# Altium PCB Cabinet_Device.PcbDoc (part 4 of 6)
Units mil, origin at the board's own origin, x right, y up, seen from the top; angles counter-clockwise.
Board outline 9999.43 x 4132.85 mil, 4 copper layers (Top Layer, Ground, Internal Plane 1, Bottom Layer), stack 30.634 mil thick; 517 components, 341 nets, 1478 pads, 1628 vias.
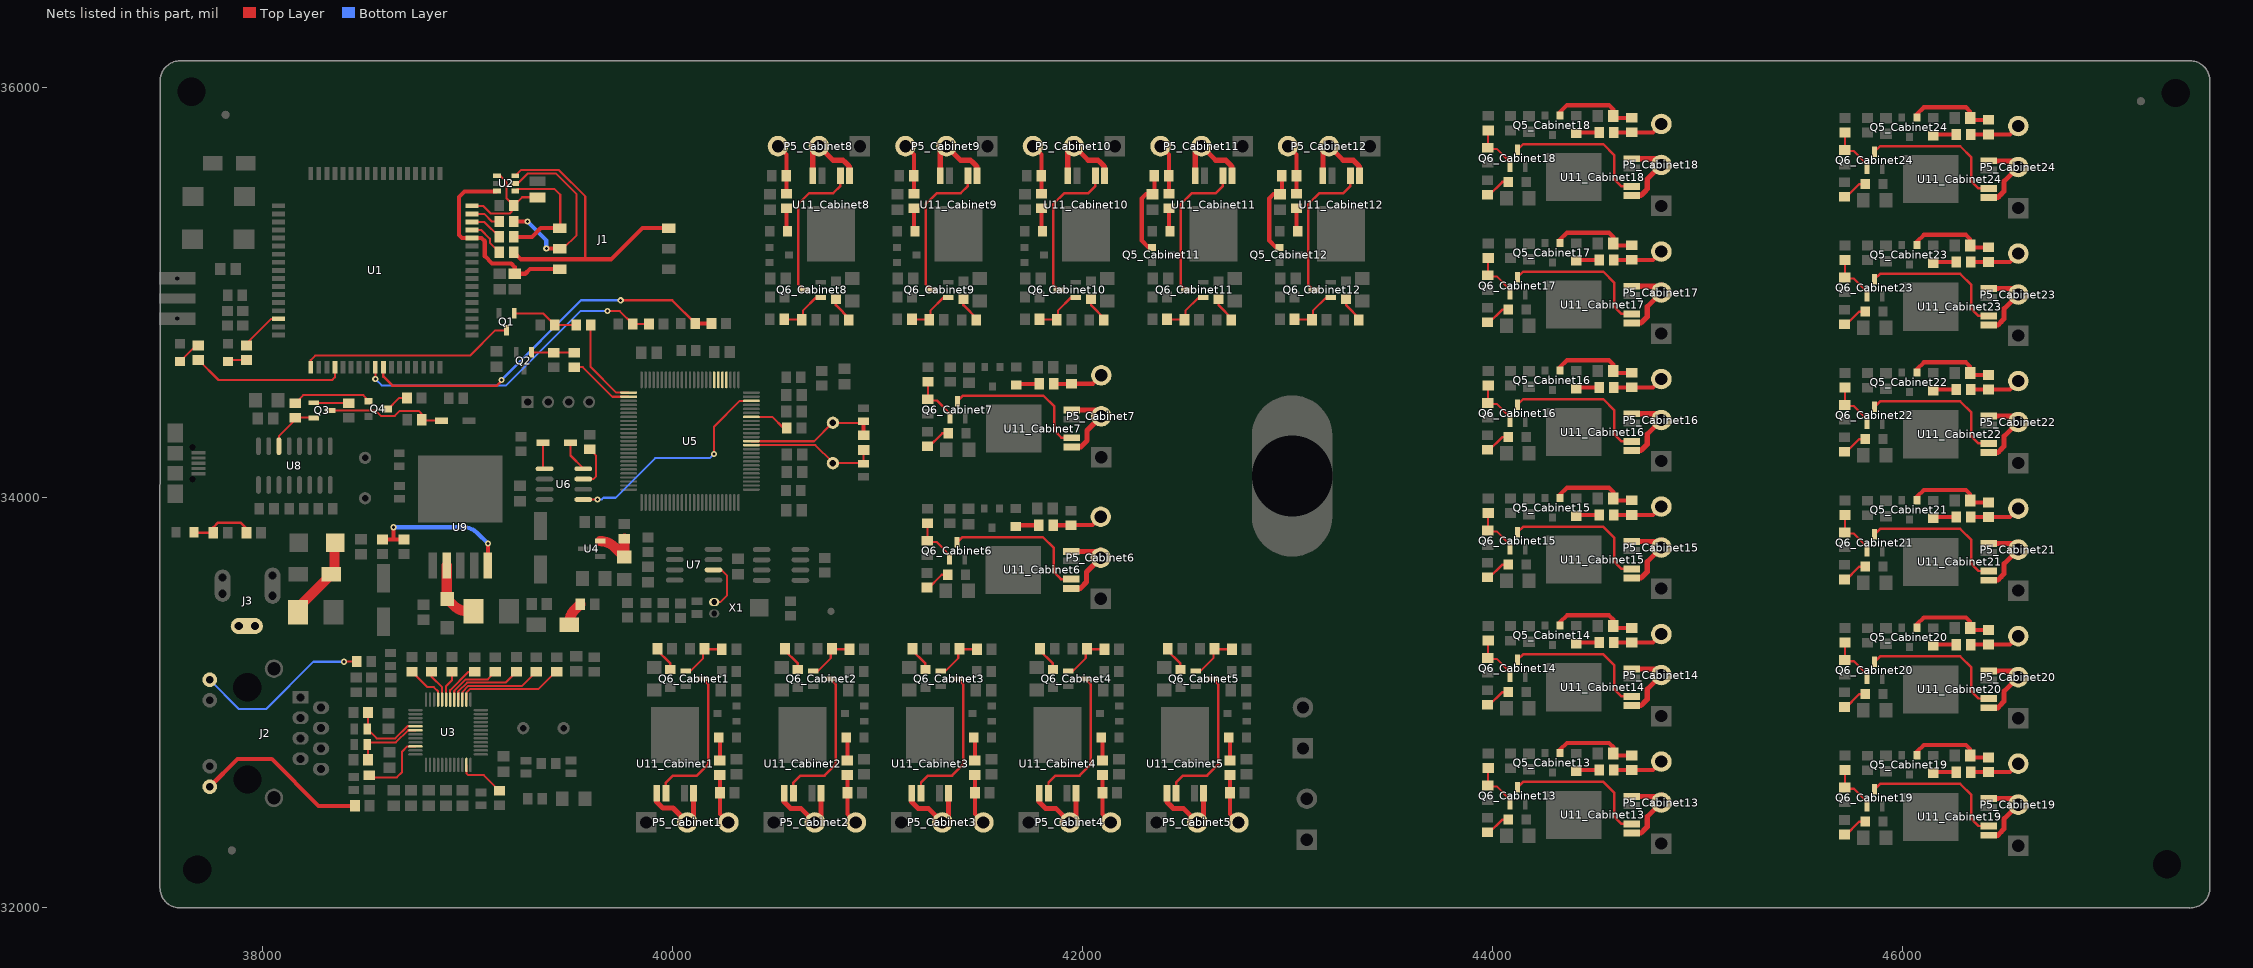
[diagram p6: the nets of this part, all layers, seen from the top]

## Via types
v1: diameter 30, hole 15, Top Layer to Bottom Layer, 1557 vias
v2: diameter 35, hole 15, Top Layer to Bottom Layer, 69 vias
v3: diameter 50, hole 28, Top Layer to Bottom Layer, 1 vias
v4: diameter 30, hole 15, Top Layer to Bottom Layer, tented both sides, 1 vias

## Nets (pads, with @x,y where several pads share a name; then routed paths per layer and width w, separated by ;. In a path a pad name is that pad's centre, name@x,y a point inside that pad or via, vN(x,y) a via of type N, cw(c..) or ccw(c..) an arc to the next point about the centre after c; other vN are vias at no path point) (continued)
NetC49_Cabinet11_1: C49_Cabinet11.1 Q5_Cabinet11.1 R58_Cabinet11.1 | length 424.3
  Top Layer w20: Q5_Cabinet11.1@42339.19,35220.4 42321.03,35220.4 42288.43,35253 42288.43,35459 42308.83,35479.4 C49_Cabinet11.1@42340.43,35479.4 42350,35488.97 R58_Cabinet11.1@42350,35569
NetC49_Cabinet12_1: C49_Cabinet12.1 Q5_Cabinet12.1 R58_Cabinet12.1 | length 424.3
  Top Layer w20: Q5_Cabinet12.1@42961.19,35220.4 42943.03,35220.4 42910.43,35253 42910.43,35459 42930.83,35479.4 C49_Cabinet12.1@42962.43,35479.4 42972,35488.97 R58_Cabinet12.1@42972,35569
NetC49_Cabinet13_1: C49_Cabinet13.1 Q5_Cabinet13.1 R58_Cabinet13.1 | length 424.3
  Top Layer w20: Q5_Cabinet13.1@44329.4,32752.81 44329.4,32770.97 44362,32803.57 44568,32803.57 44588.4,32783.17 C49_Cabinet13.1@44588.4,32751.57 44597.97,32742 R58_Cabinet13.1@44678,32742
NetC49_Cabinet14_1: C49_Cabinet14.1 Q5_Cabinet14.1 R58_Cabinet14.1 | length 424.3
  Top Layer w20: Q5_Cabinet14.1@44329.4,33374.81 44329.4,33392.97 44362,33425.57 44568,33425.57 44588.4,33405.17 C49_Cabinet14.1@44588.4,33373.57 44597.97,33364 R58_Cabinet14.1@44678,33364
NetC49_Cabinet15_1: C49_Cabinet15.1 Q5_Cabinet15.1 R58_Cabinet15.1 | length 424.3
  Top Layer w20: Q5_Cabinet15.1@44329.4,33996.81 44329.4,34014.97 44362,34047.57 44568,34047.57 44588.4,34027.17 C49_Cabinet15.1@44588.4,33995.57 44597.97,33986 R58_Cabinet15.1@44678,33986
NetC49_Cabinet16_1: C49_Cabinet16.1 Q5_Cabinet16.1 R58_Cabinet16.1 | length 424.3
  Top Layer w20: Q5_Cabinet16.1@44329.4,34618.81 44329.4,34636.97 44362,34669.57 44568,34669.57 44588.4,34649.17 C49_Cabinet16.1@44588.4,34617.57 44597.97,34608 R58_Cabinet16.1@44678,34608
NetC49_Cabinet17_1: C49_Cabinet17.1 Q5_Cabinet17.1 R58_Cabinet17.1 | length 424.3
  Top Layer w20: Q5_Cabinet17.1@44329.4,35240.81 44329.4,35258.97 44362,35291.57 44568,35291.57 44588.4,35271.17 C49_Cabinet17.1@44588.4,35239.57 44597.97,35230 R58_Cabinet17.1@44678,35230
NetC49_Cabinet18_1: C49_Cabinet18.1 Q5_Cabinet18.1 R58_Cabinet18.1 | length 424.3
  Top Layer w20: Q5_Cabinet18.1@44329.4,35862.81 44329.4,35880.97 44362,35913.57 44568,35913.57 44588.4,35893.17 C49_Cabinet18.1@44588.4,35861.57 44597.97,35852 R58_Cabinet18.1@44678,35852
NetC49_Cabinet19_1: C49_Cabinet19.1 Q5_Cabinet19.1 R58_Cabinet19.1 | length 424.3
  Top Layer w20: Q5_Cabinet19.1@46070.4,32742.81 46070.4,32760.97 46103,32793.57 46309,32793.57 46329.4,32773.17 C49_Cabinet19.1@46329.4,32741.57 46338.97,32732 R58_Cabinet19.1@46419,32732
NetC49_Cabinet20_1: C49_Cabinet20.1 Q5_Cabinet20.1 R58_Cabinet20.1 | length 424.3
  Top Layer w20: Q5_Cabinet20.1@46070.4,33364.81 46070.4,33382.97 46103,33415.57 46309,33415.57 46329.4,33395.17 C49_Cabinet20.1@46329.4,33363.57 46338.97,33354 R58_Cabinet20.1@46419,33354
NetC49_Cabinet21_1: C49_Cabinet21.1 Q5_Cabinet21.1 R58_Cabinet21.1 | length 424.3
  Top Layer w20: Q5_Cabinet21.1@46070.4,33986.81 46070.4,34004.97 46103,34037.57 46309,34037.57 46329.4,34017.17 C49_Cabinet21.1@46329.4,33985.57 46338.97,33976 R58_Cabinet21.1@46419,33976
NetC49_Cabinet22_1: C49_Cabinet22.1 Q5_Cabinet22.1 R58_Cabinet22.1 | length 424.3
  Top Layer w20: Q5_Cabinet22.1@46070.4,34608.81 46070.4,34626.97 46103,34659.57 46309,34659.57 46329.4,34639.17 C49_Cabinet22.1@46329.4,34607.57 46338.97,34598 R58_Cabinet22.1@46419,34598
NetC49_Cabinet23_1: C49_Cabinet23.1 Q5_Cabinet23.1 R58_Cabinet23.1 | length 424.3
  Top Layer w20: Q5_Cabinet23.1@46070.4,35230.81 46070.4,35248.97 46103,35281.57 46309,35281.57 46329.4,35261.17 C49_Cabinet23.1@46329.4,35229.57 46338.97,35220 R58_Cabinet23.1@46419,35220
NetC49_Cabinet24_1: C49_Cabinet24.1 Q5_Cabinet24.1 R58_Cabinet24.1 | length 424.3
  Top Layer w20: Q5_Cabinet24.1@46070.4,35852.81 46070.4,35870.97 46103,35903.57 46309,35903.57 46329.4,35883.17 C49_Cabinet24.1@46329.4,35851.57 46338.97,35842 R58_Cabinet24.1@46419,35842
NetCP3_1: CP3.1 LR3.2 U4.2 | length 235.8
  Top Layer w50: U4.2@39646.34,33787.4 cw(c39646.34,33687.51) 39716.97,33758.14 CP3.1@39765,33710.12 LR3.2@39765,33799.57
NetD2_1: D2.1 U6.1 | length 131.1
  Top Layer w10: D2.1@39368.07,34268 39368.07,34147.44 U6.1@39375.51,34140
NetD2_2: D2.2 U6.8 | length 153.9
  Top Layer w10: D2.2@39501.93,34268 39501.93,34205.07 39564.49,34142.51 U6.8@39564.49,34140
NetD3_2: D3.2 Q3.3 R44.1 | length 600.4
  Top Layer w10: Q3.3@38331.34,34425 38331.34,34425.33 38549.67,34425.33 38577,34398 38645,34398 38670,34423 38761,34423 38775.43,34408.57 38775.43,34380 38780.43,34375 D3.2@38873.07,34375
NetD4_2: D4.2 D6.2 L1.1 | length 362
  Top Layer w50: L1.1@38173.39,33440 cw(c38229.84,33440) 38189.92,33479.92 38334.5,33624.5 cw(c38335.71,33623.29) D4.2@38335.71,33625 ; D4.2@38350.71,33630 D6.2@38350.71,33741.85
NetD5_2: D5.2 LR8.1 | length 118
  Top Layer w50: D5.2@39495.71,33380 39495.71,33384.72 cw(c39595.71,33384.72) 39525,33455.43 LR8.1@39549.57,33480
NetD7_2: D7.2 L2.1 U9.2 | length 313
  Top Layer w50: U9.2@38898.07,33668.78 38898.07,33510.13 ccw(c38904.66,33510.13) D7.2@38900,33505.47 ; D7.2@38900,33505.47 38931.18,33474.29 ccw(c39001.89,33545) 39001.89,33445 L2.1@39028.39,33445
NetJ1_2: J1.2 R11.2 U2.5 | length 993.6
  Top Layer w10: U2.5@39232.29,35532 39246,35532 39295,35581 39431,35581 39532,35480 39532,35280 J1.2@39467,35215
  Top Layer w20: R11.2@39225.43,35346.34 v1(39291.66,35346.34) ; v1(39384,35214) J1.2@39450,35214 ; J1.2@39430,35215 J1.2@39467,35215
  Bottom Layer w20: v1(39291.66,35346.34) 39384,35254 v1(39384,35214)
NetJ1_3: J1.3@39450,35314 R10.2 U2.4 | length 621.3
  Top Layer w10: U2.4@39232.29,35494.6 39241.69,35504 39425,35504 39452,35477 39452,35316 J1.3@39450,35314
  Top Layer w20: R10.2@39225.43,35271.34 39313.34,35271.34 39357,35315 J1.3@39430,35315
NetJ1_7: J1.7 R7.2 U2.6 | length 1526.8
  Top Layer w10: U2.6@39232.29,35569.4 39259.89,35597 39446,35597 39574,35469 39574,35162
  Top Layer w20: R7.2@39225.43,35196.34 39259.77,35162 39574,35162 39700,35162 39853,35315 J1.7@39961.5,35315
NetJ2_9: J2.9 R33.2 | length 872.8
  Top Layer w10: v1(38398,33199) 38399,33200 R33.2@38460,33200
  Bottom Layer w10: J2.9@37742.44,33110.87 37885.31,32968 38017,32968 38248,33199 v1(38398,33199)
NetJ2_12: J2.12 R34.2 | length 859.5
  Top Layer w20: J2.12@37742.44,32589.24 37878.21,32725 38045,32725 38273.76,32496.24 R34.2@38450.92,32496.24
NetJ3_3: J3.3 J3.3A J3.3B
NetLED1_1: R2.2 状态.1 | length 93.3
  Top Layer w10: 状态.1@37832,34663 37840.07,34671.07 R2.2@37922,34671.07
NetLED2_1: R5.2 来电.1 | length 122.7
  Top Layer w10: 来电.1@37597,34663 37675.94,34741.94 R5.2@37687,34741.94
NetLED3_1: LED3.1 R52.2 R53.2 | length 324.6
  Top Layer w12: LED3.1@37666.5,33828 R53.2@37759.57,33828 37759.57,33854.57 37783,33878 37893,33878 37921.57,33849.43 R52.2@37921.57,33828
NetLED4_Cabinet1_2: LED4_Cabinet1.2 R57_Cabinet1.2 | length 114.8
  Top Layer w20: LED4_Cabinet1.2@40225.06,32830 40230.57,32824.5 R57_Cabinet1.2@40230.57,32717.43
NetLED4_Cabinet2_2: LED4_Cabinet2.2 R57_Cabinet2.2 | length 114.8
  Top Layer w20: LED4_Cabinet2.2@40847.06,32830 40852.57,32824.5 R57_Cabinet2.2@40852.57,32717.43
NetLED4_Cabinet3_2: LED4_Cabinet3.2 R57_Cabinet3.2 | length 114.8
  Top Layer w20: LED4_Cabinet3.2@41469.06,32830 41474.57,32824.5 R57_Cabinet3.2@41474.57,32717.43
NetLED4_Cabinet4_2: LED4_Cabinet4.2 R57_Cabinet4.2 | length 114.8
  Top Layer w20: LED4_Cabinet4.2@42091.06,32830 42096.57,32824.5 R57_Cabinet4.2@42096.57,32717.43
NetLED4_Cabinet5_2: LED4_Cabinet5.2 R57_Cabinet5.2 | length 114.8
  Top Layer w20: LED4_Cabinet5.2@42713.06,32830 42718.57,32824.5 R57_Cabinet5.2@42718.57,32717.43
NetLED4_Cabinet6_2: LED4_Cabinet6.2 R57_Cabinet6.2 | length 114.8
  Top Layer w20: LED4_Cabinet6.2@41673.54,33859.26 41679.04,33864.76 R57_Cabinet6.2@41786.1,33864.76
NetLED4_Cabinet7_2: LED4_Cabinet7.2 R57_Cabinet7.2 | length 114.8
  Top Layer w20: LED4_Cabinet7.2@41676,34549.06 41681.5,34554.57 R57_Cabinet7.2@41788.57,34554.57
NetLED4_Cabinet8_2: LED4_Cabinet8.2 R57_Cabinet8.2 | length 114.8
  Top Layer w20: R57_Cabinet8.2@40555.43,35411.57 40555.43,35304.5 LED4_Cabinet8.2@40560.94,35299
NetLED4_Cabinet9_2: LED4_Cabinet9.2 R57_Cabinet9.2 | length 114.8
  Top Layer w20: R57_Cabinet9.2@41177.43,35411.57 41177.43,35304.5 LED4_Cabinet9.2@41182.94,35299
NetLED4_Cabinet10_2: LED4_Cabinet10.2 R57_Cabinet10.2 | length 114.8
  Top Layer w20: R57_Cabinet10.2@41799.43,35411.57 41799.43,35304.5 LED4_Cabinet10.2@41804.94,35299
NetLED4_Cabinet11_2: LED4_Cabinet11.2 R57_Cabinet11.2 | length 114.8
  Top Layer w20: R57_Cabinet11.2@42421.43,35411.57 42421.43,35304.5 LED4_Cabinet11.2@42426.94,35299
NetLED4_Cabinet12_2: LED4_Cabinet12.2 R57_Cabinet12.2 | length 114.8
  Top Layer w20: R57_Cabinet12.2@43043.43,35411.57 43043.43,35304.5 LED4_Cabinet12.2@43048.94,35299
NetLED4_Cabinet13_2: LED4_Cabinet13.2 R57_Cabinet13.2 | length 114.8
  Top Layer w20: LED4_Cabinet13.2@44408,32665.06 44413.5,32670.57 R57_Cabinet13.2@44520.57,32670.57
NetLED4_Cabinet14_2: LED4_Cabinet14.2 R57_Cabinet14.2 | length 114.8
  Top Layer w20: LED4_Cabinet14.2@44408,33287.06 44413.5,33292.57 R57_Cabinet14.2@44520.57,33292.57
NetLED4_Cabinet15_2: LED4_Cabinet15.2 R57_Cabinet15.2 | length 114.8
  Top Layer w20: LED4_Cabinet15.2@44408,33909.06 44413.5,33914.57 R57_Cabinet15.2@44520.57,33914.57
NetLED4_Cabinet16_2: LED4_Cabinet16.2 R57_Cabinet16.2 | length 114.8
  Top Layer w20: LED4_Cabinet16.2@44408,34531.06 44413.5,34536.57 R57_Cabinet16.2@44520.57,34536.57
NetLED4_Cabinet17_2: LED4_Cabinet17.2 R57_Cabinet17.2 | length 114.8
  Top Layer w20: LED4_Cabinet17.2@44408,35153.06 44413.5,35158.57 R57_Cabinet17.2@44520.57,35158.57
NetLED4_Cabinet18_2: LED4_Cabinet18.2 R57_Cabinet18.2 | length 114.8
  Top Layer w20: LED4_Cabinet18.2@44408,35775.06 44413.5,35780.57 R57_Cabinet18.2@44520.57,35780.57
NetLED4_Cabinet19_2: LED4_Cabinet19.2 R57_Cabinet19.2 | length 114.8
  Top Layer w20: LED4_Cabinet19.2@46149,32655.06 46154.5,32660.57 R57_Cabinet19.2@46261.57,32660.57
NetLED4_Cabinet20_2: LED4_Cabinet20.2 R57_Cabinet20.2 | length 114.8
  Top Layer w20: LED4_Cabinet20.2@46149,33277.06 46154.5,33282.57 R57_Cabinet20.2@46261.57,33282.57
NetLED4_Cabinet21_2: LED4_Cabinet21.2 R57_Cabinet21.2 | length 114.8
  Top Layer w20: LED4_Cabinet21.2@46149,33899.06 46154.5,33904.57 R57_Cabinet21.2@46261.57,33904.57
NetLED4_Cabinet22_2: LED4_Cabinet22.2 R57_Cabinet22.2 | length 114.8
  Top Layer w20: LED4_Cabinet22.2@46149,34521.06 46154.5,34526.57 R57_Cabinet22.2@46261.57,34526.57
NetLED4_Cabinet23_2: LED4_Cabinet23.2 R57_Cabinet23.2 | length 114.8
  Top Layer w20: LED4_Cabinet23.2@46149,35143.06 46154.5,35148.57 R57_Cabinet23.2@46261.57,35148.57
NetLED4_Cabinet24_2: LED4_Cabinet24.2 R57_Cabinet24.2 | length 114.8
  Top Layer w20: LED4_Cabinet24.2@46149,35765.06 46154.5,35770.57 R57_Cabinet24.2@46261.57,35770.57
NetLED5_Cabinet1_1: LED5_Cabinet1.1 R61_Cabinet1.2 | length 127.3
  Top Layer w12: R61_Cabinet1.2@39919.7,33260 39989.13,33190.57 LED5_Cabinet1.1@39989.13,33161.5
NetLED5_Cabinet2_1: LED5_Cabinet2.1 R61_Cabinet2.2 | length 127.3
  Top Layer w12: R61_Cabinet2.2@40541.7,33260 40611.13,33190.57 LED5_Cabinet2.1@40611.13,33161.5
NetLED5_Cabinet3_1: LED5_Cabinet3.1 R61_Cabinet3.2 | length 127.3
  Top Layer w12: R61_Cabinet3.2@41163.7,33260 41233.13,33190.57 LED5_Cabinet3.1@41233.13,33161.5
NetLED5_Cabinet4_1: LED5_Cabinet4.1 R61_Cabinet4.2 | length 127.3
  Top Layer w12: R61_Cabinet4.2@41785.7,33260 41855.13,33190.57 LED5_Cabinet4.1@41855.13,33161.5
NetLED5_Cabinet5_1: LED5_Cabinet5.1 R61_Cabinet5.2 | length 127.3
  Top Layer w12: R61_Cabinet5.2@42407.7,33260 42477.13,33190.57 LED5_Cabinet5.1@42477.13,33161.5
NetLED5_Cabinet6_1: LED5_Cabinet6.1 R61_Cabinet6.2 | length 127.3
  Top Layer w12: R61_Cabinet6.2@41243.54,33553.9 41312.97,33623.33 LED5_Cabinet6.1@41342.03,33623.33
NetLED5_Cabinet7_1: LED5_Cabinet7.1 R61_Cabinet7.2 | length 127.3
  Top Layer w12: R61_Cabinet7.2@41246,34243.7 41315.43,34313.13 LED5_Cabinet7.1@41344.5,34313.13
NetLED5_Cabinet8_1: LED5_Cabinet8.1 R61_Cabinet8.2 | length 127.3
  Top Layer w12: LED5_Cabinet8.1@40796.87,34967.5 40796.87,34938.43 R61_Cabinet8.2@40866.3,34869
NetLED5_Cabinet9_1: LED5_Cabinet9.1 R61_Cabinet9.2 | length 127.3
  Top Layer w12: LED5_Cabinet9.1@41418.87,34967.5 41418.87,34938.43 R61_Cabinet9.2@41488.3,34869
NetLED5_Cabinet10_1: LED5_Cabinet10.1 R61_Cabinet10.2 | length 127.3
  Top Layer w12: LED5_Cabinet10.1@42040.87,34967.5 42040.87,34938.43 R61_Cabinet10.2@42110.3,34869
NetLED5_Cabinet11_1: LED5_Cabinet11.1 R61_Cabinet11.2 | length 127.3
  Top Layer w12: LED5_Cabinet11.1@42662.87,34967.5 42662.87,34938.43 R61_Cabinet11.2@42732.3,34869
NetLED5_Cabinet12_1: LED5_Cabinet12.1 R61_Cabinet12.2 | length 127.3
  Top Layer w12: LED5_Cabinet12.1@43284.87,34967.5 43284.87,34938.43 R61_Cabinet12.2@43354.3,34869
NetLED5_Cabinet13_1: LED5_Cabinet13.1 R61_Cabinet13.2 | length 127.3
  Top Layer w12: R61_Cabinet13.2@43978,32359.7 44047.43,32429.13 LED5_Cabinet13.1@44076.5,32429.13
NetLED5_Cabinet14_1: LED5_Cabinet14.1 R61_Cabinet14.2 | length 127.3
  Top Layer w12: R61_Cabinet14.2@43978,32981.7 44047.43,33051.13 LED5_Cabinet14.1@44076.5,33051.13
NetLED5_Cabinet15_1: LED5_Cabinet15.1 R61_Cabinet15.2 | length 127.3
  Top Layer w12: R61_Cabinet15.2@43978,33603.7 44047.43,33673.13 LED5_Cabinet15.1@44076.5,33673.13
NetLED5_Cabinet16_1: LED5_Cabinet16.1 R61_Cabinet16.2 | length 127.3
  Top Layer w12: R61_Cabinet16.2@43978,34225.7 44047.43,34295.13 LED5_Cabinet16.1@44076.5,34295.13
NetLED5_Cabinet17_1: LED5_Cabinet17.1 R61_Cabinet17.2 | length 127.3
  Top Layer w12: R61_Cabinet17.2@43978,34847.7 44047.43,34917.13 LED5_Cabinet17.1@44076.5,34917.13
NetLED5_Cabinet18_1: LED5_Cabinet18.1 R61_Cabinet18.2 | length 127.3
  Top Layer w12: R61_Cabinet18.2@43978,35469.7 44047.43,35539.13 LED5_Cabinet18.1@44076.5,35539.13
NetLED5_Cabinet19_1: LED5_Cabinet19.1 R61_Cabinet19.2 | length 127.3
  Top Layer w12: R61_Cabinet19.2@45719,32349.7 45788.43,32419.13 LED5_Cabinet19.1@45817.5,32419.13
NetLED5_Cabinet20_1: LED5_Cabinet20.1 R61_Cabinet20.2 | length 127.3
  Top Layer w12: R61_Cabinet20.2@45719,32971.7 45788.43,33041.13 LED5_Cabinet20.1@45817.5,33041.13
NetLED5_Cabinet21_1: LED5_Cabinet21.1 R61_Cabinet21.2 | length 127.3
  Top Layer w12: R61_Cabinet21.2@45719,33593.7 45788.43,33663.13 LED5_Cabinet21.1@45817.5,33663.13
NetLED5_Cabinet22_1: LED5_Cabinet22.1 R61_Cabinet22.2 | length 127.3
  Top Layer w12: R61_Cabinet22.2@45719,34215.7 45788.43,34285.13 LED5_Cabinet22.1@45817.5,34285.13
NetLED5_Cabinet23_1: LED5_Cabinet23.1 R61_Cabinet23.2 | length 127.3
  Top Layer w12: R61_Cabinet23.2@45719,34837.7 45788.43,34907.13 LED5_Cabinet23.1@45817.5,34907.13
NetLED5_Cabinet24_1: LED5_Cabinet24.1 R61_Cabinet24.2 | length 127.3
  Top Layer w12: R61_Cabinet24.2@45719,35459.7 45788.43,35529.13 LED5_Cabinet24.1@45817.5,35529.13
NetLR6_1: LR6.1 U5.19 | length 195.8
  Top Layer w10: U5.19@40384.21,34393.11 40486.89,34393.11 40541,34339 LR6.1@40557.57,34339
NetP5_Cabinet1_2: P5_Cabinet1.2 U11_Cabinet1.1 U11_Cabinet1.5 | length 417.7
  Top Layer w12: 39922.8,32515.2 39922.8,32505.33 39935.13,32493 39945,32493 ; P5_Cabinet1.2@40102.33,32426.67 P5_Cabinet1.2@40115,32414
  Top Layer w25: U11_Cabinet1.1@39922.8,32531 39922.8,32515.2 39945,32493 39953,32485 40002,32485 P5_Cabinet1.2@40072,32415 40102.33,32445.33 U11_Cabinet1.5@40102.33,32558.54
NetP5_Cabinet1_3: P5_Cabinet1.3 R57_Cabinet1.1 R58_Cabinet1.2 | length 248.7
  Top Layer w20: R57_Cabinet1.1@40230.57,32646.57 40230.57,32560.57 R58_Cabinet1.2@40231.13,32560 40231.13,32455.87 P5_Cabinet1.3@40272,32415
NetP5_Cabinet2_2: P5_Cabinet2.2 U11_Cabinet2.1 U11_Cabinet2.5 | length 417.7
  Top Layer w12: 40544.8,32515.2 40544.8,32505.33 40557.13,32493 40567,32493 ; P5_Cabinet2.2@40724.33,32426.67 P5_Cabinet2.2@40737,32414
  Top Layer w25: U11_Cabinet2.1@40544.8,32531 40544.8,32515.2 40567,32493 40576,32484 40625,32484 P5_Cabinet2.2@40694,32415 40724.33,32445.33 U11_Cabinet2.5@40724.33,32558.54
NetP5_Cabinet2_3: P5_Cabinet2.3 R57_Cabinet2.1 R58_Cabinet2.2 | length 248.7
  Top Layer w20: R57_Cabinet2.1@40852.57,32646.57 40852.57,32560.57 R58_Cabinet2.2@40853.13,32560 40853.13,32455.87 P5_Cabinet2.3@40894,32415
NetP5_Cabinet3_2: P5_Cabinet3.2 U11_Cabinet3.1 U11_Cabinet3.5 | length 417.7
  Top Layer w12: 41166.8,32515.2 41166.8,32505.33 41179.13,32493 41189,32493 ; P5_Cabinet3.2@41346.33,32426.67 P5_Cabinet3.2@41359,32414
  Top Layer w25: U11_Cabinet3.1@41166.8,32531 41166.8,32515.2 41189,32493 41198,32484 41247,32484 P5_Cabinet3.2@41316,32415 41346.33,32445.33 U11_Cabinet3.5@41346.33,32558.54
NetP5_Cabinet3_3: P5_Cabinet3.3 R57_Cabinet3.1 R58_Cabinet3.2 | length 248.7
  Top Layer w20: R57_Cabinet3.1@41474.57,32646.57 41474.57,32560.57 R58_Cabinet3.2@41475.13,32560 41475.13,32455.87 P5_Cabinet3.3@41516,32415
NetP5_Cabinet4_2: P5_Cabinet4.2 U11_Cabinet4.1 U11_Cabinet4.5 | length 417.7
  Top Layer w12: 41788.8,32515.2 41788.8,32505.33 41801.13,32493 41811,32493 ; P5_Cabinet4.2@41968.33,32426.67 P5_Cabinet4.2@41981,32414
  Top Layer w25: U11_Cabinet4.1@41788.8,32531 41788.8,32515.2 41811,32493 41820,32484 41869,32484 P5_Cabinet4.2@41938,32415 41968.33,32445.33 U11_Cabinet4.5@41968.33,32558.54
NetP5_Cabinet4_3: P5_Cabinet4.3 R57_Cabinet4.1 R58_Cabinet4.2 | length 248.7
  Top Layer w20: R57_Cabinet4.1@42096.57,32646.57 42096.57,32560.57 R58_Cabinet4.2@42097.13,32560 42097.13,32455.87 P5_Cabinet4.3@42138,32415
NetP5_Cabinet5_2: P5_Cabinet5.2 U11_Cabinet5.1 U11_Cabinet5.5 | length 417.7
  Top Layer w12: 42410.8,32515.2 42410.8,32505.33 42423.13,32493 42433,32493 ; P5_Cabinet5.2@42590.33,32426.67 P5_Cabinet5.2@42603,32414
  Top Layer w25: U11_Cabinet5.1@42410.8,32531 42410.8,32515.2 42433,32493 42442,32484 42491,32484 P5_Cabinet5.2@42560,32415 42590.33,32445.33 U11_Cabinet5.5@42590.33,32558.54
NetP5_Cabinet5_3: P5_Cabinet5.3 R57_Cabinet5.1 R58_Cabinet5.2 | length 248.7
  Top Layer w20: R57_Cabinet5.1@42718.57,32646.57 42718.57,32560.57 R58_Cabinet5.2@42719.13,32560 42719.13,32455.87 P5_Cabinet5.3@42760,32415
NetP5_Cabinet6_2: P5_Cabinet6.2 U11_Cabinet6.1 U11_Cabinet6.5 | length 417.7
  Top Layer w12: 41988.34,33557 41998.2,33557 42010.54,33569.33 42010.54,33579.2 ; P5_Cabinet6.2@42076.87,33736.53 P5_Cabinet6.2@42089.54,33749.2
  Top Layer w25: U11_Cabinet6.5@41945,33736.53 42058.2,33736.53 P5_Cabinet6.2@42088.54,33706.2 42019.54,33637.2 42019.54,33588.2 42010.54,33579.2 41988.34,33557 U11_Cabinet6.1@41972.54,33557
NetP5_Cabinet6_3: P5_Cabinet6.3 R57_Cabinet6.1 R58_Cabinet6.2 | length 248.7
  Top Layer w20: R57_Cabinet6.1@41856.97,33864.76 41942.97,33864.76 R58_Cabinet6.2@41943.54,33865.33 42047.67,33865.33 P5_Cabinet6.3@42088.54,33906.2
NetP5_Cabinet7_2: P5_Cabinet7.2 U11_Cabinet7.1 U11_Cabinet7.5 | length 417.7
  Top Layer w12: 41990.8,34246.8 42000.67,34246.8 42013,34259.13 42013,34269 ; P5_Cabinet7.2@42079.33,34426.33 P5_Cabinet7.2@42092,34439
  Top Layer w25: U11_Cabinet7.5@41947.46,34426.33 42060.67,34426.33 P5_Cabinet7.2@42091,34396 42022,34327 42022,34278 42013,34269 41990.8,34246.8 U11_Cabinet7.1@41975,34246.8
NetP5_Cabinet7_3: P5_Cabinet7.3 R57_Cabinet7.1 R58_Cabinet7.2 | length 248.7
  Top Layer w20: R57_Cabinet7.1@41859.43,34554.57 41945.43,34554.57 R58_Cabinet7.2@41946,34555.13 42050.13,34555.13 P5_Cabinet7.3@42091,34596
NetP5_Cabinet8_2: P5_Cabinet8.2 U11_Cabinet8.1 U11_Cabinet8.5 | length 417.7
  Top Layer w12: P5_Cabinet8.2@40671,35715 P5_Cabinet8.2@40683.67,35702.33 ; 40841,35636 40850.87,35636 40863.2,35623.67 40863.2,35613.8
  Top Layer w25: U11_Cabinet8.5@40683.67,35570.46 40683.67,35683.67 P5_Cabinet8.2@40714,35714 40783,35645 40832,35645 40841,35636 40863.2,35613.8 U11_Cabinet8.1@40863.2,35598
NetP5_Cabinet8_3: P5_Cabinet8.3 R57_Cabinet8.1 R58_Cabinet8.2 | length 248.7
  Top Layer w20: P5_Cabinet8.3@40514,35714 40554.87,35673.13 R58_Cabinet8.2@40554.87,35569 40555.43,35568.43 R57_Cabinet8.1@40555.43,35482.43
NetP5_Cabinet9_2: P5_Cabinet9.2 U11_Cabinet9.1 U11_Cabinet9.5 | length 417.7
  Top Layer w12: P5_Cabinet9.2@41293,35715 P5_Cabinet9.2@41305.67,35702.33 ; 41463,35636 41472.87,35636 41485.2,35623.67 41485.2,35613.8
  Top Layer w25: U11_Cabinet9.5@41305.67,35570.46 41305.67,35683.67 P5_Cabinet9.2@41336,35714 41405,35645 41454,35645 41463,35636 41485.2,35613.8 U11_Cabinet9.1@41485.2,35598
NetP5_Cabinet9_3: P5_Cabinet9.3 R57_Cabinet9.1 R58_Cabinet9.2 | length 248.7
  Top Layer w20: P5_Cabinet9.3@41136,35714 41176.87,35673.13 R58_Cabinet9.2@41176.87,35569 41177.43,35568.43 R57_Cabinet9.1@41177.43,35482.43
NetP5_Cabinet10_2: P5_Cabinet10.2 U11_Cabinet10.1 U11_Cabinet10.5 | length 417.7
  Top Layer w12: P5_Cabinet10.2@41915,35715 P5_Cabinet10.2@41927.67,35702.33 ; 42085,35636 42094.87,35636 42107.2,35623.67 42107.2,35613.8
  Top Layer w25: U11_Cabinet10.5@41927.67,35570.46 41927.67,35683.67 P5_Cabinet10.2@41958,35714 42027,35645 42076,35645 42085,35636 42107.2,35613.8 U11_Cabinet10.1@42107.2,35598
NetP5_Cabinet10_3: P5_Cabinet10.3 R57_Cabinet10.1 R58_Cabinet10.2 | length 248.7